# Altium PCB BW2098POE.PcbDoc (part 4 of 4) (continued)
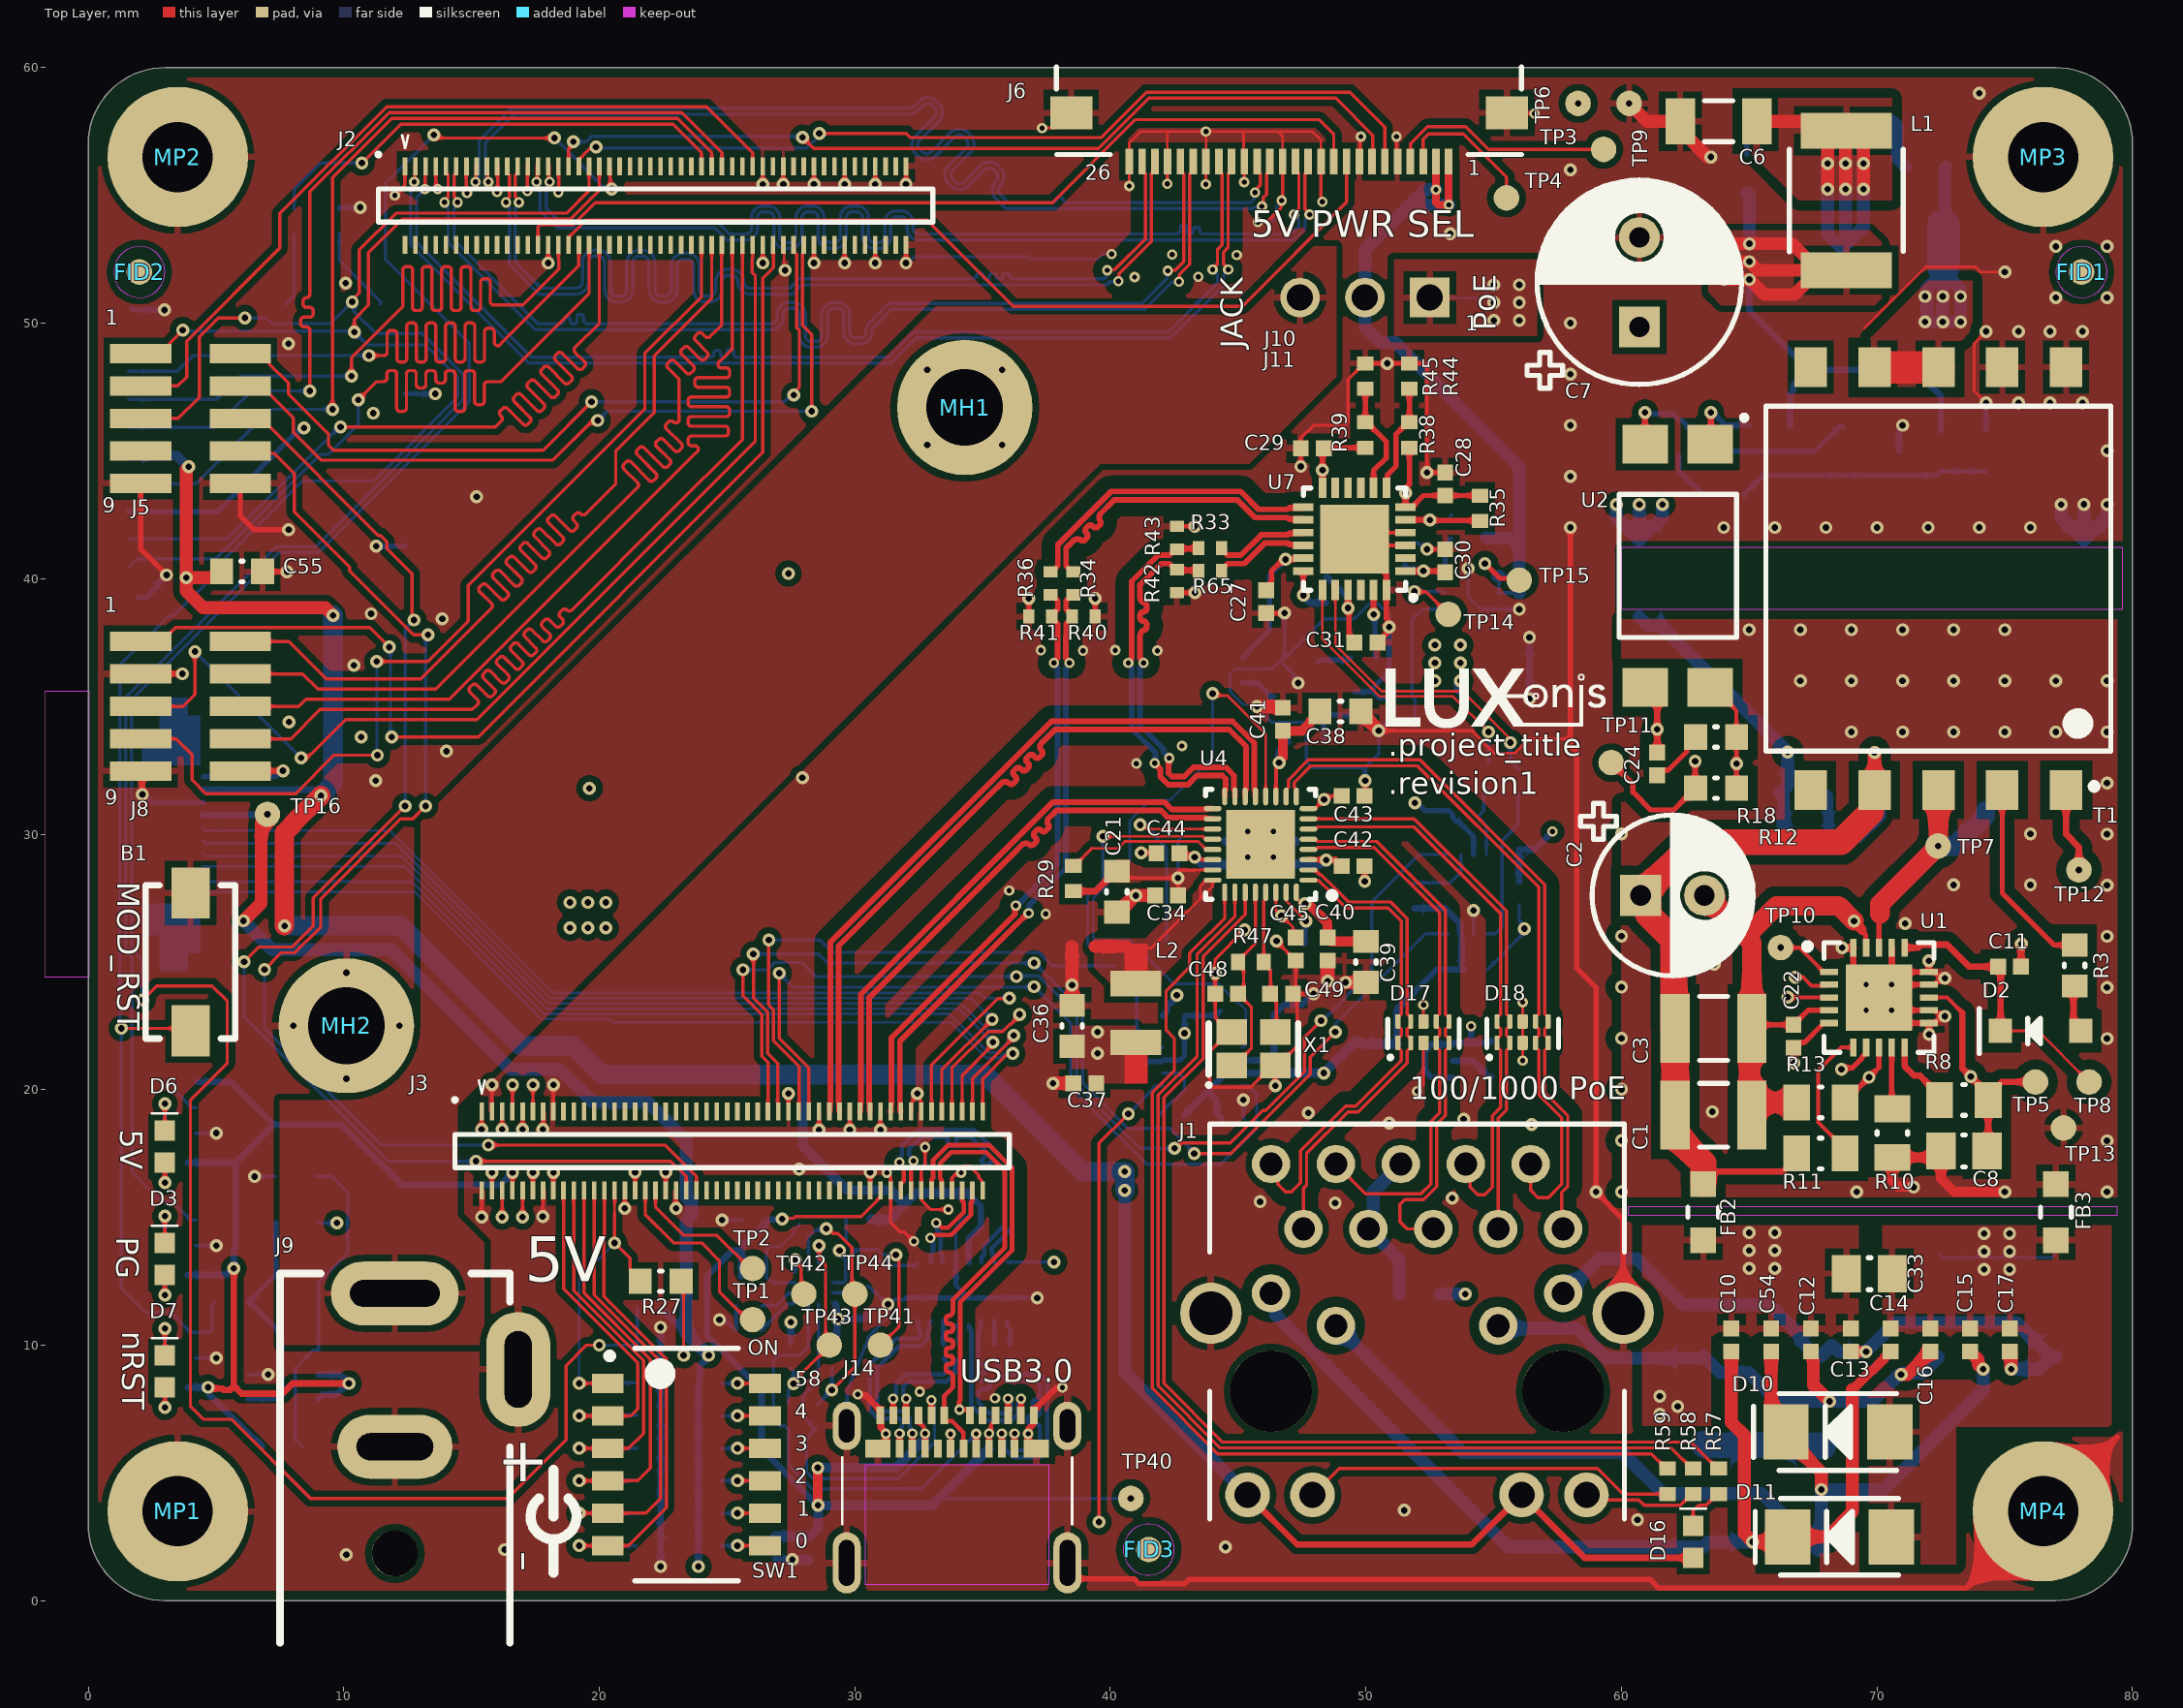
[diagram p0: Top Layer view]
## Nets (pads, with @x,y where several pads share a name; then routed paths per layer and width w, separated by ;. In a path a pad name is that pad's centre, name@x,y a point inside that pad or via, vN(x,y) a via of type N, cw(c..) or ccw(c..) an arc to the next point about the centre after c; other vN are vias at no path point) (continued)
  Bottom Layer w0.102: J4.3@4.495,28.742 12.35,28.742 17.921,23.171 34.083,23.171 v1(35.4,21.854)
TDO: J3.91 J4.5 | length 38.2
  Top Layer w0.127: J3.91@33.4,19.14 33.4,20.772 v1(35.375,22.748)
  Bottom Layer w0.102: J4.5@4.495,29.742 4.596,29.64 12.027,29.64 18.089,23.578 34.545,23.578 v1(35.375,22.748)
TMS: J3.99 J4.1 | length 37.3
  Top Layer w0.127: J3.99@35,19.14 35,20.424 35.919,21.343 36.104,21.343 v1(36.176,21.416)
  Bottom Layer w0.102: J4.1@4.495,27.742 12.776,27.742 17.752,22.765 20.406,22.765 20.536,22.635 33.757,22.635 35.148,21.244 35.653,21.244 35.77,21.361 36.122,21.361 v1(36.176,21.416)
TRST: J3.93 J4.4 | length 40.3
  Top Layer w0.127: J3.93@33.8,19.14 33.8,20.849 35.224,22.273 35.775,22.273 36.043,22.541 36.085,22.541 36.442,22.898 v1(36.442,22.945)
  Bottom Layer w0.102: J4.4@4.495,29.242 4.596,29.14 12.239,29.14 18.005,23.374 34.167,23.374 35.212,22.329 35.826,22.329 v1(36.442,22.945)
TXB1_N: C209.2 U61.16 | length 0.8
  Bottom Layer w0.178: U61.16@33.95,10.775 34.075,10.65 C209.2@34.075,10.03
TXB1_P: C208.2 U61.17 | length 0.9
  Bottom Layer w0.178: U61.17@33.45,10.95 33.463,10.938 33.463,10.043 C208.2@33.475,10.03
TXB_N: C209.1 J14.A3 | length 4
  Top Layer w0.178: J14.A3@32,7.25 32.002,7.252 32.002,7.898 v2(32.004,7.9)
  Bottom Layer w0.178: v2(32.004,7.9) 32.004,7.962 31.89,8.076 31.89,8.37 32.095,8.575 33.582,8.575 33.915,8.908 33.915,9.29 34.075,9.45 C209.1@34.075,9.47
TXB_P: C208.1 J14.A2 | length 4
  Top Layer w0.178: v2(31.496,7.9) 31.498,7.898 31.498,7.252 J14.A2@31.5,7.25
  Bottom Layer w0.178: v2(31.496,7.9) 31.496,7.962 31.61,8.076 31.61,8.486 31.979,8.855 33.466,8.855 33.635,9.024 33.635,9.29 33.475,9.45 C208.1@33.475,9.47
TXC1_N: C212.2 U61.12 | length 1
  Bottom Layer w0.178: U61.12@35.95,10.95 35.95,10.775 36.075,10.65 C212.2@36.075,10.03
TXC1_P: C211.2 U61.13 | length 0.9
  Bottom Layer w0.178: U61.13@35.45,10.95 35.463,10.938 35.463,10.043 C211.2@35.475,10.03
TXC_N: C212.1 J14.B3 | length 8.1
  Top Layer w0.178: J14.B3@35.75,5.95 v2(35.75,6.534)
  Bottom Layer w0.178: v2(35.75,6.534) 35.794,6.491 35.794,6.326 35.86,6.26 35.86,5.949 36.194,5.615 37.252,5.615 37.482,5.845 37.496,5.845 37.529,5.879 37.529,6.543 37.524,6.548 37.524,8.578 37.238,8.865 36.072,8.865 35.915,9.021 35.915,9.29 36.075,9.45 C212.1@36.075,9.47
TXC_P: C211.1 J14.B2 | length 8.3
  Top Layer w0.178: J14.B2@36.25,5.95 v2(36.25,6.534)
  Bottom Layer w0.178: C211.1@35.475,9.47 35.475,9.45 35.635,9.29 35.635,8.906 35.956,8.585 37.122,8.585 37.139,8.568 37.245,8.462 37.245,8.046 cw(c37.067,8.046) 37.067,7.868 ccw(c37.067,7.758) 36.957,7.758 36.957,7.663 ccw(c37.067,7.663) 37.067,7.553 37.135,7.553 cw(c37.135,7.443) 37.245,7.443 37.245,7.349 cw(c37.135,7.349) 37.135,7.239 36.883,7.239 ccw(c36.883,7.129) 36.773,7.129 36.773,7.034 ccw(c36.883,7.034) 36.883,6.924 37.067,6.924 cw(c37.067,6.746) 37.245,6.746 37.245,6.658 37.245,6.548 37.24,6.543 37.24,5.999 37.136,5.895 36.31,5.895 36.14,6.065 36.14,6.26 36.206,6.326 36.206,6.491 v2(36.25,6.534)
UART_RX: J3.42 J5.6 | length 51.2
  Top Layer w0.127: J5.6@5.451,46.27 6.77,46.27 11.353,41.687 11.439,41.687 11.685,41.441 11.685,41.182 12.675,40.192 12.675,38.453 v1(12.748,38.38) ; v1(6.1,25) 6.685,25.585 7.985,25.585 8.8,26.4 8.8,27.5 v1(12.4,31.1) ; v1(15.175,17.2) 22.801,17.2 23.4,16.601 J3.42@23.4,16.06
  Bottom Layer w0.127: v1(6.1,25) 6.1,22.866 11.766,17.2 v1(15.175,17.2) ; v1(12.4,31.1) 12.4,38.032 v1(12.748,38.38)
UART_TX: J3.44 J5.8 | length 49.8
  Top Layer w0.127: J5.8@5.95,45 6.046,44.904 7.266,44.904 8.061,44.109 8.061,42.618 10.225,40.454 10.225,40.311 12.736,37.8 v1(13.3,37.8) ; v1(6.9,24.7) 7.557,25.357 8.08,25.357 9.1,26.377 9.1,27.477 12.223,30.6 12.7,30.6 v1(13.2,31.1) ; v1(15.656,17.83) 22.57,17.83 23.8,16.601 J3.44@23.8,16.06
  Bottom Layer w0.127: v1(6.9,24.7) 6.9,22.389 11.459,17.83 v1(15.656,17.83) ; v1(13.2,31.1) 13.2,37.7 v1(13.3,37.8)
USB_CM: R31.1 U62.3 | length 1.8
  Bottom Layer w0.127: R31.1@26.35,10.55 26.35,10.6 27.364,11.614 27.589,11.614 U62.3@27.625,11.651
USB_D_N: J3.90 J14.A7 J14.B7 | length 17.4
  Top Layer w0.178: J3.90@33,16.06 J3.90@33,16.06 33.001,16.478 33.06,16.537 33.06,17.235 33.657,17.832 35.254,17.832 36.148,16.938 36.148,13.703 34.12,11.675 34.12,7.843 34.083,7.805 34.083,7.599 v2@34.099,7.582 ; v2(33.746,6.527) 33.748,6.525 33.748,5.953 J14.B7@33.75,5.95 ; v2(34.099,7.476) 34.439,7.476 34.5,7.415 J14.A7@34.5,7.25
  Layer 2 w0.087: v2(33.746,6.527) 33.764,6.545 33.764,6.843 34.098,7.177 34.098,7.475 v2(34.099,7.476)
USB_D_P: J3.92 J14.A6 J14.B6 | length 17.8
  Top Layer w0.178: J3.92@33.4,16.06 33.399,16.061 33.399,16.478 33.34,16.537 33.34,17.12 33.773,17.553 35.138,17.553 35.869,16.822 35.869,13.819 33.841,11.791 33.841,11.73 33.841,11.336 cw(c33.653,11.335) 33.67,11.148 ccw(c33.67,11.038) 33.56,11.038 33.56,10.944 ccw(c33.67,10.944) 33.67,10.834 33.73,10.834 cw(c33.73,10.724) 33.841,10.724 33.841,10.629 cw(c33.73,10.629) 33.73,10.519 33.67,10.519 ccw(c33.67,10.409) 33.56,10.409 33.56,10.315 ccw(c33.67,10.315) 33.67,10.205 33.73,10.205 cw(c33.73,10.095) 33.841,10.095 33.841,10 cw(c33.73,10) 33.73,9.89 33.67,9.89 ccw(c33.67,9.78) 33.56,9.78 33.56,9.686 ccw(c33.67,9.686) 33.67,9.576 33.73,9.576 cw(c33.73,9.466) 33.841,9.466 33.841,9.371 cw(c33.73,9.371) 33.73,9.261 33.67,9.261 ccw(c33.67,9.151) 33.56,9.151 33.56,9.057 ccw(c33.67,9.057) 33.67,8.947 cw(c33.653,8.759) 33.841,8.759 33.841,8.448 33.841,8.357 33.5,8.017 J14.A6@33.5,7.25 33.5,7.09 33.561,7.029 33.8,7.029 34.25,6.579 J14.B6@34.25,5.95
USB_PORT: R32.1 U62.4 | length 1.5
  Bottom Layer w0.127: R32.1@26.35,11.55 26.929,11.55 27.393,12.014 27.589,12.014 U62.4@27.625,12.051
USB_RX_N: J3.96 U61.4 | length 4
  Top Layer w0.178: v2(33.184,14.791) 33.202,14.791 33.402,14.591 33.648,14.591 34.26,15.203 34.26,15.583 34.201,15.642 34.201,16.059 J3.96@34.2,16.06
  Bottom Layer w0.178: v2(33.184,14.791) 33.227,14.747 33.227,14.491 33.354,14.365 33.354,13.834 33.34,13.82 33.34,13.648 33.414,13.574 33.414,13.286 U61.4@33.45,13.25
USB_RX_P: J3.98 U61.3 | length 4
  Top Layer w0.178: v2(32.96,14.201) 33.022,14.201 33.132,14.311 33.764,14.311 34.54,15.087 34.54,15.583 34.599,15.642 34.599,16.059 J3.98@34.6,16.06
  Bottom Layer w0.178: U61.3@32.95,13.25 32.986,13.286 32.986,13.574 33.06,13.648 33.06,14.039 32.96,14.14 v2(32.96,14.201)
USB_TX_N: J3.84 U61.8 | length 11.1
  Top Layer w0.178: v2(31.743,17.159) 31.743,17.1 31.919,16.925 31.919,16.439 31.8,16.32 J3.84@31.8,16.06
  Bottom Layer w0.178: v2(31.743,17.159) 31.787,17.203 31.787,17.364 31.843,17.42 31.843,17.796 32.475,18.428 34.667,18.428 36.144,16.951 36.144,14.587 35.458,13.901 35.346,13.789 35.346,13.642 35.414,13.574 35.414,13.286 U61.8@35.45,13.25
USB_TX_P: J3.86 U61.7 | length 11.2
  Top Layer w0.178: 32.199,16.478 J3.86@32.2,16.06 J3.86@32.2,16.06 ; 32.198,16.479 32.198,16.95 32.254,17.005 32.254,17.167 v2(32.298,17.21)
  Bottom Layer w0.178: v2(32.298,17.21) 32.298,17.269 32.122,17.445 32.122,17.68 32.59,18.149 33.062,18.149 33.465,18.149 cw(c33.465,17.971) 33.643,17.971 33.643,17.909 ccw(c33.753,17.909) 33.753,17.799 33.847,17.799 ccw(c33.847,17.909) 33.957,17.909 33.957,17.971 cw(c34.135,17.971) 34.135,18.149 34.551,18.149 34.794,17.906 34.857,17.843 35.079,17.621 cw(c34.954,17.495) 35.079,17.369 34.999,17.289 ccw(c35.077,17.212) 34.999,17.134 35.066,17.067 ccw(c35.144,17.145) 35.222,17.067 35.302,17.147 cw(c35.427,17.021) 35.553,17.147 35.789,16.911 35.852,16.848 35.865,16.835 35.865,14.703 35.349,14.187 35.067,13.905 35.067,13.542 34.95,13.425 U61.7@34.95,13.25
VBUS: C73.2 C207.2 J3.80 J14.A4 J14.A9 J14.B4 J14.B9 R183.2 R187.1 R190.1 TP40.1 | length 48
  Top Layer w0.127: v1(27.159,14.939) 27.187,14.967 27.604,14.967 27.67,15.033 30.247,15.033 30.855,15.642 30.855,15.655 31,15.8 J3.80@31,16.06
  Top Layer w0.152: J14.B4@35.248,5.949 J14.B4@35.25,5.95 v2(35.25,6.534) 35.25,6.603 35.332,6.685 35.332,6.887 35.421,6.976 35.426,6.976 35.5,7.05 J14.A9@35.5,7.25 J14.A9@35.426,7.177
  Top Layer w0.158: J14.A4@32.5,7.25 32.571,7.179 32.571,6.924 32.702,6.792 32.702,6.582 v2(32.75,6.534) J14.B9@32.75,5.95
  Top Layer w0.381: v1(28.549,5.2) 28.555,5.194 28.555,3.737 v1(28.561,3.731)
  Bottom Layer w0.127: v2@32.75,6.334 v2(32.75,6.534) ; 33.216,3.916 33.3,4 v1(40.8,4) ; 35.248,5.949 35.25,5.95 v2(35.25,6.534)
  Bottom Layer w0.254: R187.1@25.538,12.694 25.569,12.724 25.569,13.769 R190.1@25.6,13.8 25.495,13.695 25.198,13.695 24.217,12.715 24.217,10.373 26.346,8.244 26.346,5.941 28.556,3.731 v1(28.561,3.731) ; R190.1@25.6,13.85 R183.2@26.65,14.9 ; R183.2@26.6,14.9 R183.2@26.65,14.9 ; v1(27.159,14.939) 27.139,14.92 26.67,14.92 R183.2@26.65,14.9
  Bottom Layer w0.381: C73.2@26.887,2.52 28.18,2.52 C207.2@28.21,2.49 28.561,2.841 v1(28.561,3.731) 33.031,3.731 33.216,3.916 ; v1(28.549,5.2) 31.616,5.2 v2@32.75,6.334 ; 33.3,4 35.248,5.949
VBUS_DET: C35.2 R187.2 R190.2 U62.5 | length 4.1
  Bottom Layer w0.102: R190.2@26.6,13.8 26.662,13.862 27.105,13.862 27.601,14.358 27.601,14.495 C35.2@27.849,14.743
  Bottom Layer w0.127: R190.2@26.6,13.8 26.538,13.738 R187.2@26.538,12.694 26.538,12.662 26.75,12.451 U62.5@27.625,12.451
VDD: C22.2 R12.2 TP11.1 U1.5 | length 21.9
  Top Layer w0.203: TP11.1@59.6,32.8 60.449,31.951 60.449,31.647 61.146,30.95 62.05,30.95 62.502,31.402 62.552,31.402 62.9,31.75 R12.2@62.9,31.8 62.882,31.818 v1(62.882,32.856) ; v1(66.744,21.039) 66.744,21.629 C22.2@66.733,21.64 66.942,21.848 67.165,21.848 67.878,22.562 67.878,22.584 67.901,22.607 U1.5@68.126,22.607
  Layer 3 w0.203: v1(62.882,32.856) 62.882,31.843 65.737,28.988 65.737,27.48 65.321,27.065 65.321,22.462 v1(66.744,21.039)
VNEG: C8.1 C25.1 FB3.2 R10.1 TP13.1 U1.7 U1.11 U1.12 U1.14 U1.15 U1.17 U1.20 U1.21 | length 18.4
  Top Layer w0.203: v1(68.608,20.799) 68.666,20.858 69.039,20.858 69.405,21.223 69.405,21.26 69.576,21.432 U1.7@69.576,21.657 ; U1.21@71.188,22.607 U1.11@72.026,22.607 ; U1.21@71.188,23.107 U1.12@72.026,23.107 72.251,23.107 72.411,22.948 72.574,22.948 v1(72.651,22.87) 72.574,22.792 72.437,22.792 72.251,22.607 U1.11@72.026,22.607 ; U1.21@71.188,24.107 U1.14@72.026,24.107 72.251,24.107 72.422,24.278 72.574,24.278 v1(72.651,24.356) 72.574,24.433 72.425,24.433 72.251,24.607 U1.15@72.026,24.607 ; U1.21@71.188,24.607 U1.15@72.026,24.607 ; v1(72.026,25.044) U1.15@72.026,24.607 ; v1(72.04,22.157) 72.04,22.593 U1.11@72.026,22.607
  Top Layer w0.254: v1(68.633,25.55) 69.069,25.55 U1.20@69.083,25.564 ; U1.21@69.076,24.719 U1.20@69.076,25.557 ; U1.21@70.576,24.719 U1.17@70.576,25.557
  Top Layer w0.381: v1(71.434,16.183) 71.41,16.207 70.823,16.207 70.6,16.43 R10.1@70.6,17.35 72.25,17.35 C8.1@72.5,17.6 72.5,16.523 73.023,16 v1(75,16)
  other v1: 60,16 69.2,16 79,16 60,18.013 79,18 63.555,19.135 60,20.013 79,22 60,22.013 60,24.013 79,24 63.627,24.903 60,26.013 79,26 71.1,26.5 79,28 65,28.013 73,28.013 76,28.013 79,30 60,30.013 76,30.013 79,32 69,34 71,34 73,34 75,34 77,34 79,34 67,36 69,36 71,36 73,36 75,36 77,36 79,36 65,38 67,38 69,38 71,38 73,38 75,38
  other v3: 69.576,23.107 70.576,23.107 69.576,24.107 70.576,24.107
VNEG_IN: C14.1 C15.1 C16.1 C17.1 C33.1 D8.2 D9.2 D10.2 D11.2 FB3.1 | length 4.7
  Bottom Layer w0.102: D9.2@72.4,13.6 72.568,13.432 76.832,13.432 D8.2@77,13.6
  other v1: 74.187,12.968 75.187,12.968 74.187,13.668 75.187,13.668 74.187,14.368 75.187,14.368
VPOS: C1.2 C2.1 C3.2 C4.2 C8.2 C26.1 FB2.2 R4.2 R8.1 R11.1 T1.4 TP5.1 U1.2 U1.13 | length 52.4
  Top Layer w0.152: v1(66.8,24.4) 67.101,24.4 67.433,24.068 68.087,24.068 U1.2@68.126,24.107 ; U1.13@72.026,23.607 72.741,23.607 73.333,23.014
  Top Layer w0.254: FB2.2@63.2,16.3 63.7,16.8 66.325,16.8 66.85,17.325 R11.1@66.85,17.5 ; 73.333,23.014 73.333,20.844 74.006,20.172 74.006,19.6 73.952,19.546 R8.1@73.952,19.027 ; R8.1@74.006,19.561 74.045,19.6 R8.1@74.35,19.6 ; C8.2@74.3,17.6 74.35,17.65 R8.1@74.35,19.6 ; TP5.1@76.2,20.3 74.875,20.3 74.35,19.775 R8.1@74.35,19.6
  Top Layer w0.508: T1.4@69.9,31.725 v1(69.9,33.2)
  Top Layer w1.016: C3.2@62.1,21.874 C1.2@62.1,19 62.167,18.933 62.167,18.158 63.2,17.125 FB2.2@63.2,16.3 ; C3.2@62.1,22.4 62.033,22.467 62.033,25.867 61.042,26.858 61.042,27.308 C2.1@60.75,27.6 62.838,29.688 68.587,29.688 69.773,30.873 69.773,31.598 T1.4@69.9,31.725
  Bottom Layer w0.508: C26.1@60.7,38.5 61.021,38.179 61.533,38.179 v1(66.504,33.209) 66.504,31.904 C4.2@66.2,31.6 66.35,31.45 66.35,29.95 R4.2@66.5,29.8
  other v1: 73.67,20.508
VPOS_IN: C10.2 C12.2 C13.2 C33.2 C54.2 D12.1 D13.1 D14.1 D15.1 FB2.1 | length 4.7
  Bottom Layer w1.016: D15.1@63.2,6.132 63.25,6.082 67.85,6.082 D14.1@67.9,6.032
  other v1: 61.5,7.3 62.2,7.6 61.5,8 65,13 66,13 65,13.7 66,13.7 65,14.4 66,14.4
VSEC: C5.2 D5.2 T1.7 T1.8 | length 14.4
  Top Layer w1.27: T1.7@69.9,48.275 T1.8@72.4,48.275
  Bottom Layer w0.102: D5.2@72.573,51.978 72.595,52 D5.2@72.6,52 D5.2@72.605,52
  Bottom Layer w0.5: v1(71.873,51.043) v1@71.951,51.043 ; D5.2@72.6,53.84 72.65,53.89 72.65,56.05 C5.2@72.7,56.1 ; D5.2@72.605,52 73.249,51.356 73.249,51.067 v1(73.273,51.043) v1(73.273,50.043) v1(72.573,50.043) ; v1@71.951,51.043 71.951,50.121 v1(71.873,50.043) v1(72.573,50.043) ; v1@71.951,51.043 71.951,51.356 72.573,51.978 v1(72.573,51.043) v1(72.573,50.043)
  Bottom Layer w1.27: D5.2@72.6,52.2 D5.2@72.6,53.84
VSS: C1.1 C2.2 C3.1 C11.1 C22.1 C24.1 R13.2 T1.1 TP12.1 U1.4 U1.19 U2.3 | length 27.5
  Top Layer w0.203: C3.1@64.998,22.298 C3.1@65.1,22.4 65.24,22.54 C22.1@66.733,22.54 67.301,23.107 U1.4@68.126,23.107 ; 69.409,26.202 69.557,26.054 69.557,25.806 69.576,25.786 U1.19@69.576,25.557
  Top Layer w0.254: U2.3@60.93,35.74 61.4,35.27 v1(61.4,34.1) C24.1@61.4,33.2 ; C11.1@75.638,24.812 v1@75.638,25.694 ; T1.1@77.4,31.75 77.4,29.993 77.9,29.493 v1(77.9,28.6)
  Top Layer w0.381: v1@69.1,26.566 69.409,26.256
  Top Layer w0.508: v1@75.638,25.694 v1(75.646,25.702)
  Top Layer w0.762: C2.2@63.25,27.6 65.1,25.75 C3.1@65.1,22.4 ; 64.86,25.99 66.071,27.2 68.5,27.2 v1(69.1,26.6) ; C3.1@64.998,22.298 64.998,19.719 65.217,19.5 R13.2@66.85,19.5 ; C1.1@65.1,19 C1.1@65.1,19.374
VT15V: C11.2 D2.1 TP8.1 U1.16 | length 11
  Top Layer w0.102: D2.1@74.825,22.3 76.3,22.3 TP8.1@78.3,20.3
  Top Layer w0.254: U1.16@71.084,25.557 71.626,25.557 71.748,25.679 72.743,25.679 73.609,24.812 C11.2@74.738,24.812 ; C11.2@74.695,24.856 74.833,24.717 74.833,22.308 D2.1@74.825,22.3
XI: C48.2 R47.1 U4.28 X1.1 | length 7.8
  Top Layer w0.127: X1.1@44.75,20.95 44.85,20.95 45.515,21.615 45.515,23.235 C48.2@45,23.75 45.212,23.962 45.212,24.789 R47.1@45,25 45,25.05 45.675,25.725 U4.28@45.675,27.725
XO: C49.2 R47.2 U4.29 X1.3 | length 5.7
  Top Layer w0.127: U4.29@46.075,27.725 46.075,27.455 46,27.38 46,24.95 46.271,24.679 46.271,23.771 C49.2@46.25,23.75 46.497,23.504 46.497,22.296 X1.3@46.45,22.25
pads on no net: C50.1 FID1.1 FID2.1 FID3.1 FID4.1 FID5.1 FID6.1 J1. J2.2 J2.4 J2.6 J2.8 J2.10 J2.12 J2.14 J2.16 J2.18 J2.20 J2.22 J2.24 J2.26 J2.43 J2.44 J2.45 J2.46 J2.47 J2.48 J2.49 J2.50 J2.51 J2.52 J2.53 J2.54 J2.55 J2.56 J2.57 J2.58 J3.17 J3.19 J3.21 J3.23 J3.25 J3.27 J3.29 J3.31 J3.33 J3.35 J3.37 J3.39 J3.41 J3.43 J3.45 J3.46 J3.47 J3.48 J3.49 J3.50 J3.51 J3.52 J3.53 J3.54 J3.55 J3.56 J3.58 J3.60 J3.62 J3.64 J3.66 J3.68 J3.70 J3.72 J3.74 J3.76 J4.11 J4.12 J5.7 J9. J9.0 J14.A8 J14.B8 T1.5 T1.6 U7.2 U7.9 U7.10 U7.11 U7.22 U8.3 U10.4 U61.1 U61.10 U62.9
copper on no net: | length 1
  Bottom Layer w0.508: 52.9,12 v1(53.884,12)

## Polygon pours and split planes (outlines as drawn)
GND on Top Layer "L1_GND" (solid, remove dead copper, pour order 458): 0,0 0,60 80,60 80,0
REGOUT on Top Layer "REGOUT_L01_P428" (solid, remove dead copper, pour order 428): 39.364,25.91 41.36,25.91 43.65,28.2 44,28.2 44,26.399 42,24.405 42,24.15 40,24.15 39.364,24.786
5V_PoE on Top Layer "5V_POE_L01_P424" (solid, remove dead copper, pour order 424): 70.58,52.77 70.58,51.37 69.91,50.7 63.9,50.7 63.4,51.2 63.4,53.018 64.007,53.625 69.725,53.625
NetC6_2 on Top Layer "NETC6_2_L01_P431" (solid, remove dead copper, pour order 431): 64.725,57 66.925,54.8 67.652,54.8 70.58,54.8 70.58,58.23 70.58,58.8 64.725,58.8
VNEG on Top Layer "VNEG_L01_P435" (solid, remove dead copper, pour order 435): 60,15.8 60,39.075 79.4,39.075 79.4,15.8
VSEC on Top Layer "VSEC_L01_P429" (solid, remove dead copper, pour order 429): 73.1,49.05 73.731,49.681 73.731,51.667 71.967,51.667 69.265,48.965 69.265,47.5 73.1,47.5
5V_JACK on Top Layer "5V_JACK_L01_P434" (solid, remove dead copper, pour order 434): 13.013,30.513 33.161,50.661 44.161,50.661 46.5,53 48.835,53 48.835,47.908 45.426,44.5 39.604,44.5 17.104,22 14.453,19.349 14.453,15.047 15.5,14 15.5,10 7.5,10 7.5,19.588 10.101,19.588 13.013,22.5
3V3 on Top Layer "3V3_L01_P426" (solid, remove dead copper, pour order 426): 40.25,29 40.812,29 41.012,28.8 44,28.8 42.8,27.6 42.65,27.6 42.15,28.1 40.25,28.1
VNEG_IN on Top Layer "VNEG_IN_L01_P433" (solid, remove dead copper, pour order 433): 73.1,6.8 73.1,1.421 69.611,1.421 69.611,8.647 75.921,8.647 75.921,10.358 70.219,10.358 70.219,14.7 79.179,14.7 79.179,6.8
VPOS_IN on Top Layer "VPOS_IN_L01_P432" (solid, remove dead copper, pour order 432): 69.281,14.7 60.8,14.7 60.8,6.85 63.5,6.85 63.5,10.358 69.281,10.358
5V_PoE on Top Layer "5V_POE_L01_P430" (solid, remove dead copper, pour order 430): 56.69,52.5 51.1,52.5 51.1,49.5 56.69,49.5
PCIE_1V0 on Top Layer "PCIE_1V0_L01_P427" (solid, remove dead copper, pour order 427): 41,22.5 38.5,22.5 38.5,20.25 41,20.25
GND on Bottom Layer "L4_GND" (solid, remove dead copper, pour order 457): 0,0 0,60 80,60 80,0
GND on Bottom Layer "GND_L04_P455" (solid, remove dead copper, pour order 455): 80,40.925 80,60 57.35,60 57.35,40.925
VNEG on Bottom Layer "VNEG_L04_P456" (solid, remove dead copper, pour order 456): 59.5,15.8 59.5,39.075 79.3,39.075 79.3,15.8
3V3 on Bottom Layer "3V3_L04_P450" (solid, remove dead copper, pour order 450): 55.5,38.375 55.482,38.393 52.807,38.393 52.324,37.91 52.324,33.775 53.475,33.775 55.5,35.8
5V_IN on Bottom Layer "5V_IN_L04_P454" (solid, remove dead copper, pour order 454): 48.939,52.5 51.725,52.5 51.725,47.737 41.988,38 37,38 24,25 18,25 18,31 34,47 43.439,47
5V_PoE on Bottom Layer "5V_POE_L04_P451" (solid, remove dead copper, pour order 451): 56.7,52.5 51.725,52.5 51.725,49.6 56.7,49.6
NetC6_2 on Bottom Layer "NETC6_2_L04_P452" (solid, remove dead copper, pour order 452): 71.048,54.6 69.8,55.848 69.8,56.625 69.193,57.232 69.225,57.263 69.225,58.6 68.175,58.6 68.175,57.175 66.188,55.188 66.188,54.6 66.188,52.93 71.048,52.93
VNEG_IN on Bottom Layer "VNEG_IN_L04_P448" (solid, remove dead copper, pour order 448): 71.321,14.489 78.08,14.489 78.08,12.711 71.321,12.711
VPOS_IN on Bottom Layer "VPOS_IN_L04_P447" (solid, remove dead copper, pour order 447): 62.141,14.521 68.893,14.521 68.893,12.743 62.141,12.743
VPOS_IN on Bottom Layer "VPOS_IN_L04_P449" (solid, remove dead copper, pour order 449): 68.98,5.52 62.632,5.52 61,7.152 61,8.638 61.644,8.638 63.361,6.921 68.98,6.921
GND on Layer 2 "L2_GND" (solid, remove dead copper, pour order 438): 0,0 0,60 80,60 80,0
GND on Layer 2 "GND_L02_P436" (solid, remove dead copper, pour order 436): 80,40.925 80,60 57.35,60 57.35,40.925
VPOS on Layer 2 "VPOS_L02_P437" (solid, remove dead copper, pour order 437): 59.55,15.8 59.55,39.075 79.3,39.075 79.3,15.8
GND on Layer 3 "L3_GND" (solid, remove dead copper, pour order 444): 0,0 0,60 80,60 80,0
5V_PoE on Layer 3 "5V_POE_L03_P443" (solid, remove dead copper, pour order 443): 58,40.925 51.106,47.819 51.106,53.106 58,60 80,60 80,40.925
PCIE_1V0 on Layer 3 "PCIE_1V0_L03_P439" (solid, remove dead copper, pour order 439): 38.906,21.055 38.906,25.346 45.283,31.723 48.813,31.723 48.813,28.408 41.459,21.055
VSS on Layer 3 "VSS_L03_P442" (solid, remove dead copper, pour order 442): 59.55,15.8 59.55,39.045 79.3,39.045 79.3,15.8
3V3 on Layer 3 "3V3_L03_P441" (solid, remove dead copper, pour order 441): 48,44.5 46.487,42.987 46.487,34.423 39.328,27.264 39.328,15.694 41.994,15.694 48.419,22.119 55.619,22.119 57.663,24.163 57.663,33.911 52.65,38.924 52.65,42.763 50.8,44.613 48.15,44.613 48.044,44.506
5V_IN on Layer 3 "5V_IN_L03_P440" (solid, remove dead copper, pour order 440): 22,28 22,18.232 17.768,14 13,14 12,15 12,24 16,28

## Keep-outs
Top Layer:
  rectangle: 60.262,15.088 79.4,15.412
  rectangle: 60,38.798 79.612,41.215
Bottom Layer:
  lines w0.102: 32.069,44.828 ccw(c34.3,46.7) 37.213,46.7

## Silkscreen, mask and mechanical layers (free items; w line width, h text height)
Top Overlay:
  drawing of 7 lines, arcs and shapes, not listed
  text "5V PWR SEL" at 45.5,53 h1.8
  text "PoE" at 55.384,49.7 h1.5 r90
  text "JACK" at 45.484,48.997 h1.5 r90
  text ".project_title / .revision1" at 50.87,31.267 h1.5
  text "MOD_RST" at 0.833,28.137 h1.5 r270
  text "100/1000 PoE" at 51.713,19.31 h1.52
  text "5V" at 0.956,18.438 h1.5 r270
  text "PG" at 0.81,14.237 h1.5 r270
  text "nRST" at 1.022,10.536 h1.5 r270
  text "USB3.0" at 34.12,8.253 h1.52
  text "58" at 27.663,8.188 h1
  text "4" at 27.646,6.914 h1
  text "3" at 27.658,5.648 h1
  text "2" at 27.655,4.373 h1
  text "1" at 27.75,3.103 h1
  text "0" at 27.659,1.838 h1
Bottom Overlay:
  drawing of 15 lines, arcs and shapes, not listed
  text ".project_title / .revision1" at 50.891,56.275 h1.5
  text "J5 Header" at 29.882,42.698 h1.5
  text "I2C3_SCL" at 22.2,40.393 h1
  text "MOD_nRST" at 28.253,40.393 h1
  text "I2C3_SDA" at 22.2,39.123 h1
  text "AUX_IO_IRQ" at 28.804,39.123 h1
  text "UART_RX" at 22.2,37.859 h1
  text "2485_PGOOD" at 29.211,37.853 h1
  text "SDIO" at 12.4,37.5 h1.5
  text "UART_TX" at 22.2,36.589 h1
  text "NC" at 24.658,36.5 h1
  text "GND" at 22.2,35.219 h1
  text "GND" at 25.361,35.219 h1
  text "MODULE_JTAG" at 7.317,34.596 h1.5 r90
  text "J8 Header" at 29.882,32.537 h1.5
  text "SPI_SIO0" at 22.2,30.233 h1
  text "SPI_SCK" at 27.203,30.233 h1
  text "SPI_SIO1" at 22.2,28.963 h1
  text "GND" at 25.361,28.88 h1
  text "SPI_SIO2" at 22.2,27.693 h1
  text "SPI_SS_0" at 27.511,27.693 h1
  text "SPI_SIO3" at 22.2,26.423 h1
  text "GPIO6" at 26.114,26.34 h1
  text "GND" at 22.2,25.059 h1
  text "GND" at 25.361,24.675 h1
Board:
  lines w0.1: 0,3 0,57 ; 2.994,60 77,60 ; 77,0 2.996,0 ; 80,3 80,57 ; 2.996,0 2.996,0
  lines w0.102: 0,3 ccw(c3,3) 3,0 ; 0,57 cw(c3,57) 3,60 ; 77,0 ccw(c77,3) 80,3 ; 77,60 cw(c77,57) 80,57
DimTop:
  text "ALL UNITS IN MM" at 54.279,65.498 h2
DimBot:
  text "ALL UNITS IN MM" at 54.279,65.498 h2
Drill Drawing:
  circle w0.254: c83.046,34.163 r0.276
  circle w0.254: c83.046,34.163 r0.46
  circle w0.254: c83.046,30.023 r0.46
  lines w0.254: 82.586,15.304 82.816,15.304 83.046,15.074 83.276,15.304 83.506,15.304 83.276,15.534 83.506,15.764 83.276,15.764 83.046,15.994 82.816,15.764 82.586,15.764 82.816,15.534 82.586,15.304 ; 82.586,17.374 82.816,17.374 82.816,17.144 83.276,17.144 83.276,17.374 83.506,17.374 83.506,17.834 83.276,17.834 83.276,18.064 82.816,18.064 82.816,17.834 82.586,17.834 82.586,17.374 ; 82.586,19.214 83.506,19.214 83.506,20.134 82.586,20.134 82.586,19.214 ; 82.586,21.284 82.586,21.514 82.816,21.744 82.586,21.974 82.586,22.204 82.816,22.204 83.046,21.974 83.276,22.204 83.506,22.204 83.506,21.974 83.276,21.744 83.506,21.514 83.506,21.284 83.276,21.284 83.046,21.514 82.816,21.284 82.586,21.284 ; 82.586,23.354 83.046,23.584 83.506,23.354 83.276,23.814 83.506,24.274 83.046,24.044 82.586,24.274 82.816,23.814 82.586,23.354 ; 82.586,25.884 83.046,25.424 83.506,25.884 83.046,26.344 82.586,25.884 ; 82.586,28.413 83.506,28.413 83.046,27.494 82.586,28.413 ; 82.586,31.633 83.506,31.633 83.506,32.553 82.586,32.553 82.586,31.633 ; 82.586,36.693 83.506,36.693 83.046,35.773 82.586,36.693 ; 82.586,38.073 82.816,38.073 83.046,37.843 83.276,38.073 83.506,38.073 83.276,38.303 83.506,38.533 83.276,38.533 83.046,38.763 82.816,38.533 82.586,38.533 82.816,38.303 82.586,38.073 ; 82.77,19.398 83.322,19.398 83.322,19.95 82.77,19.95 82.77,19.398 ; 82.77,36.509 83.322,36.509 83.046,35.957 82.77,36.509 ; 82.77,38.165 82.908,38.165 83.046,38.027 83.184,38.165 83.322,38.165 83.184,38.303 83.322,38.441 83.184,38.441 83.046,38.579 82.908,38.441 82.77,38.441 82.908,38.303 82.77,38.165
  lines w0.381: 81.725,14.453 117.585,14.453 ; 81.725,39.292 117.585,39.292 ; 87.044,12.384 87.044,41.362 ; 91.912,12.384 91.912,41.362 ; 101.47,12.384 101.47,41.362 ; 105.596,12.384 105.596,41.362 ; 81.725,12.384 117.585,12.384 117.585,41.362 81.725,41.362 81.725,12.384
  text "Symbol" at 82.967,39.913 h1.2
  text "Count" at 87.665,39.913 h1.2
  text "Hole Size" at 92.533,39.913 h1.2
  text "Plated" at 102.09,39.913 h1.2
  text "Drill Layer Pair" at 106.217,39.913 h1.2
  text "104" at 87.665,37.843 h1
  text "8,00mil (0,203mm)" at 92.533,37.843 h1
  text "PTH" at 102.09,37.843 h1
  text "Top Layer - Bottom Layer" at 106.217,37.843 h1
  text "434" at 87.665,35.773 h1
  text "10,00mil (0,254mm)" at 92.533,35.773 h1
  text "PTH" at 102.09,35.773 h1
  text "Top Layer - Bottom Layer" at 106.217,35.773 h1
  text "4" at 87.665,33.703 h1
  text "23,62mil (0,600mm)" at 92.533,33.703 h1
  text "PTH" at 102.09,33.703 h1
  text "Top Layer - Bottom Layer" at 106.217,33.703 h1
  text "4" at 87.665,31.633 h1
  text "31,50mil (0,800mm)" at 92.533,31.633 h1
  text "PTH" at 102.09,31.633 h1
  text "Top Layer - Bottom Layer" at 106.217,31.633 h1
  text "14" at 87.665,29.563 h1
  text "35,43mil (0,900mm)" at 92.533,29.563 h1
  text "PTH" at 102.09,29.563 h1
  text "Top Layer - Bottom Layer" at 106.217,29.563 h1
  text "7" at 87.665,27.494 h1
  text "40,16mil (1,020mm)" at 92.533,27.494 h1
  text "PTH" at 102.09,27.494 h1
  text "Top Layer - Bottom Layer" at 106.217,27.494 h1
  text "3" at 87.665,25.424 h1
  text "41,34mil (1,050mm)" at 92.533,25.424 h1
  text "PTH" at 102.09,25.424 h1
  text "Top Layer - Bottom Layer" at 106.217,25.424 h1
  text "2" at 87.665,23.354 h1
  text "66,93mil (1,700mm)" at 92.533,23.354 h1
  text "PTH" at 102.09,23.354 h1
  text "Top Layer - Bottom Layer" at 106.217,23.354 h1
  text "1" at 87.665,21.284 h1
  text "70,87mil (1,800mm)" at 92.533,21.284 h1
  text "NPTH" at 102.09,21.284 h1
  text "Top Layer - Bottom Layer" at 106.217,21.284 h1
  text "4" at 87.665,19.214 h1
  text "108,27mil (2,750mm)" at 92.533,19.214 h1
  text "PTH" at 102.09,19.214 h1
  text "Top Layer - Bottom Layer" at 106.217,19.214 h1
  text "2" at 87.665,17.144 h1
  text "118,11mil (3,000mm)" at 92.533,17.144 h1
  text "PTH" at 102.09,17.144 h1
  text "Top Layer - Bottom Layer" at 106.217,17.144 h1
  text "2" at 87.665,15.074 h1
  text "125,98mil (3,200mm)" at 92.533,15.074 h1
  text "PTH" at 102.09,15.074 h1
  text "Top Layer - Bottom Layer" at 106.217,15.074 h1
  text "581 Total" at 87.665,13.005 h1
  text "Slot definitions :" at 82.967,11.556 h1
  text "Routed Path Length" at 89.778,11.556 h1
  text "= Calculated from tool start centre position to tool end centre position." at 98.219,11.556 h1
  text "Hole Length" at 89.778,10.728 h1
  text "= Routed Path Length + Tool Size = Slot length as defined in the PCB layout" at 95.086,10.728 h1

## Dimensions
0,57 to 47,58.178 on DimTop
0,0 to 3.9,45 on DimBot
0,0 to 3.25,30 on DimBot
76.5,56.5 to 0,57 on DimTop
34.3,46.7 to 0,57 on DimTop
3.5,56.5 to 0,57 on DimTop
10.1,22.5 to 0,0 on DimTop
0,0 to 2.994,60 on DimTop
0,0 to 3.5,56.5 on DimTop
0,0 to 22.7,54.6 on DimTop
0,0 to 34.3,46.7 on DimTop
0,0 to 10.1,22.5 on DimTop
0,0 to 25.7,17.6 on DimTop
0,0 to 3.5,3.5 on DimTop
0,0 to 25.2,17.1 on DimTop
0,57 to 22.2,54.1 on DimTop
0,0 to 3.5,3.5 on DimTop
0,0 to 80,3 on DimTop
0,0 to 76.5,3.5 on DimTop
0,0 to 52,8.2 on DimTop
0,0 to 34,6.6 on DimTop
0,0 to 12,1.85 on DimTop

## Text inside footprints (layer, text, board x,y; h text height)
J4: Bottom Overlay "1" at 5.479,26.99 h1 r90; Bottom Overlay "10" at 5.364,33.552 h1 r90; Assembly Notes "Top contact ffc" at 0.292,27.244 h1 r270
J5: Top Overlay "9" at 0.56,42.369 h1; Top Overlay "1" at 0.664,49.727 h1
J6: Top Overlay "1" at 53.991,55.578 h1; Top Overlay "26" at 39,55.4 h1
J8: Top Overlay "9" at 0.654,30.944 h1; Top Overlay "1" at 0.633,38.49 h1
J9: Top Overlay "5V" at 17.095,11.899 h3; Top Overlay "+" at 18.376,6.434 h3 r90; Top Overlay "-" at 18.21,1.09 h3 r90
J10: Top Overlay "1" at 53.895,49.5 h1
SW1: Top Overlay "ON" at 25.814,9.407 h1
U61: Assembly Notes "Based on 0.125 thick stencil" at 36.8,11.995 h0.5